# Altium PCB pcb_v1.PcbDoc (part 1 of 5)
Units mil, origin at the board's own origin, x right, y up, seen from the top; angles counter-clockwise.
Board outline 2527.56 x 5177.17 mil, 4 copper layers (L1 SIG, L2 SIG, L3 SIG, L4 SIG), stack 61.583 mil thick; 290 components, 207 nets, 1103 pads, 2427 vias.
Unrouted connection lines stored in the file: 255.
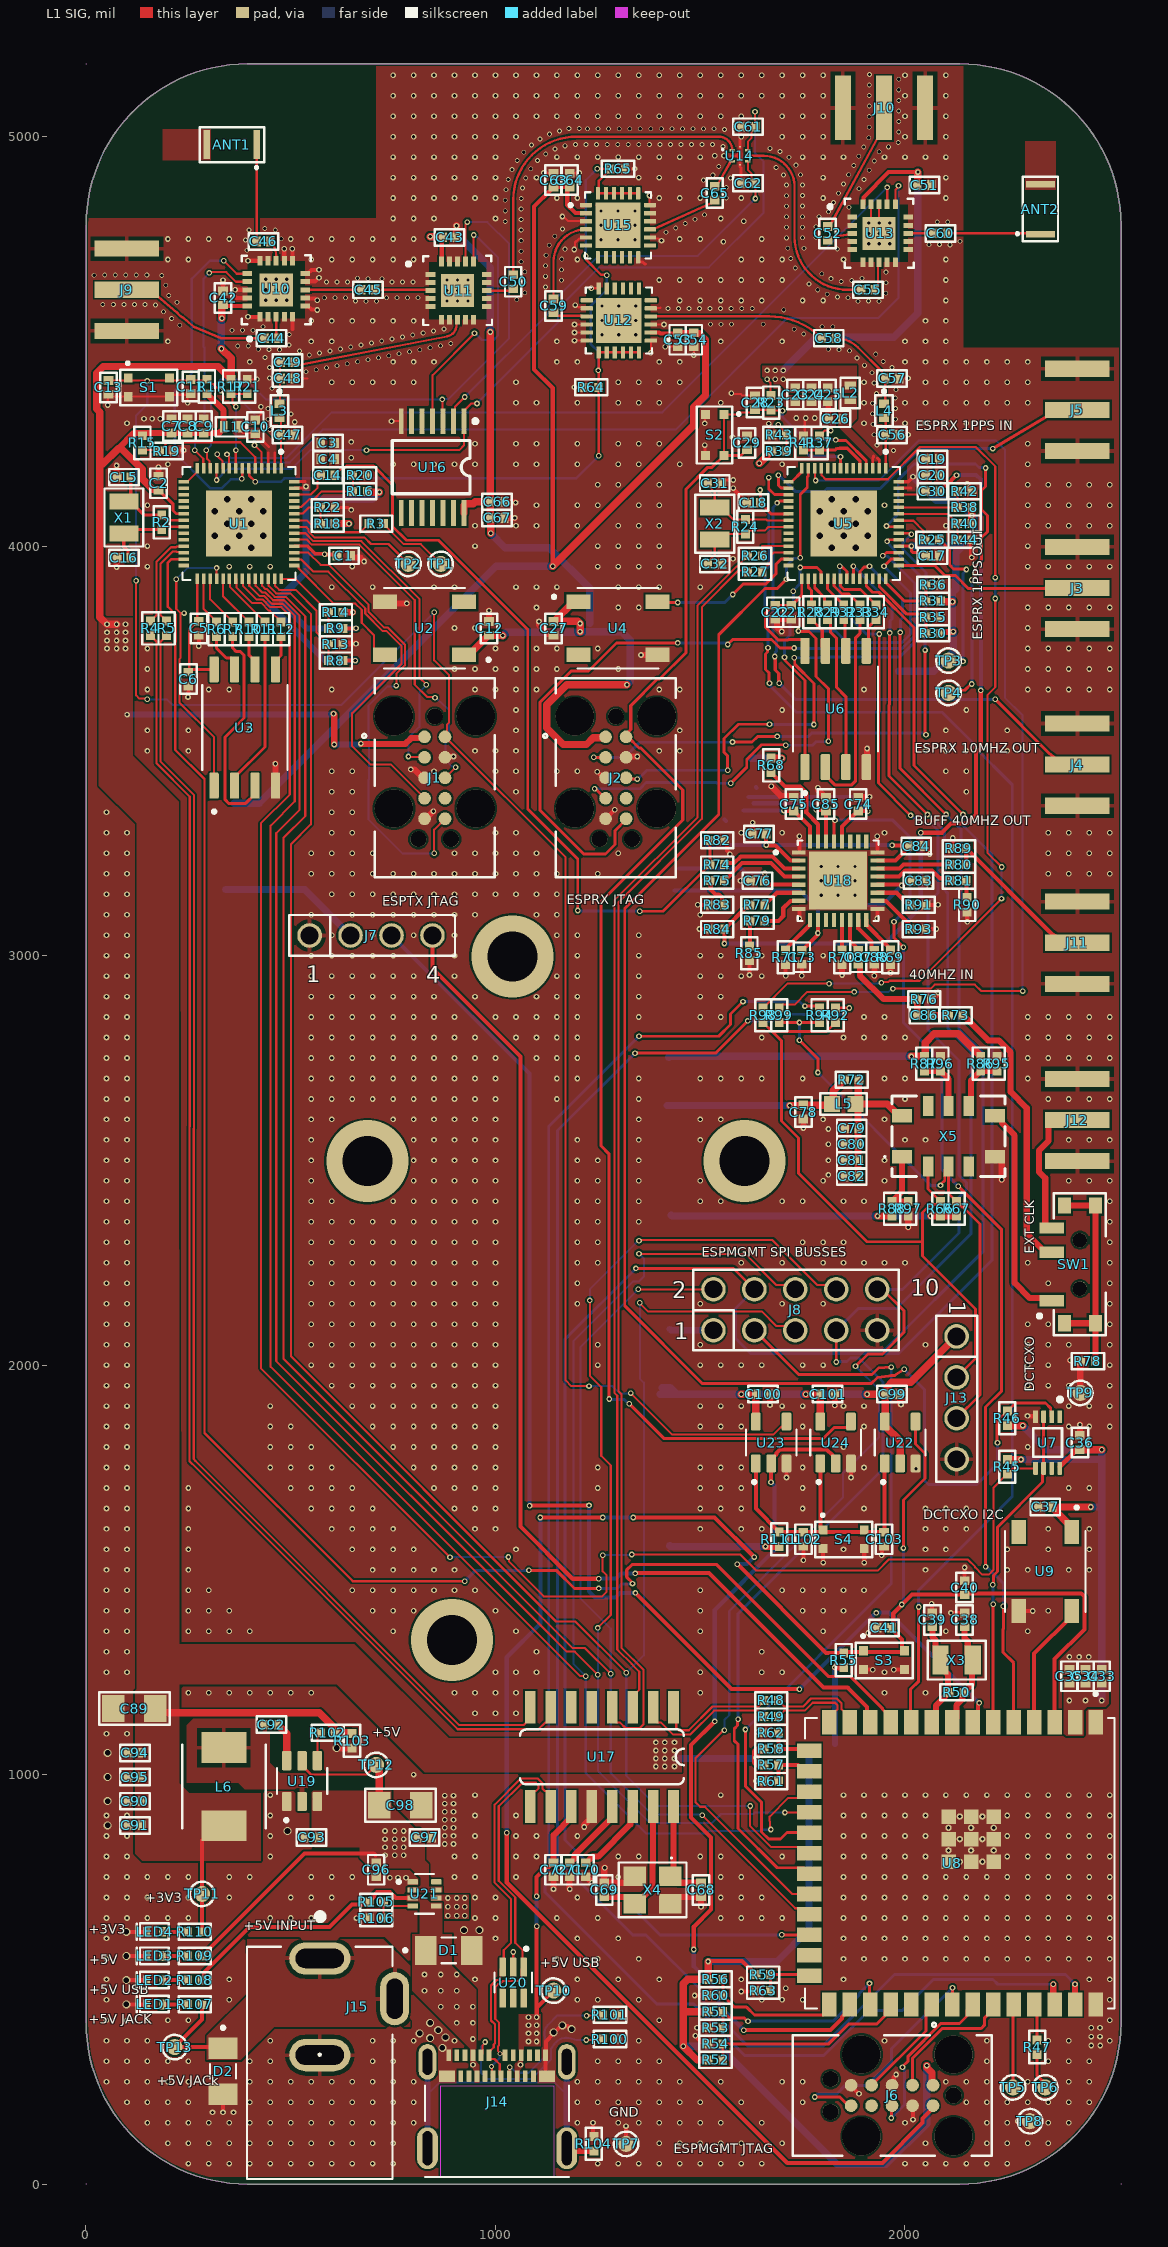
[diagram p0: L1 SIG view]
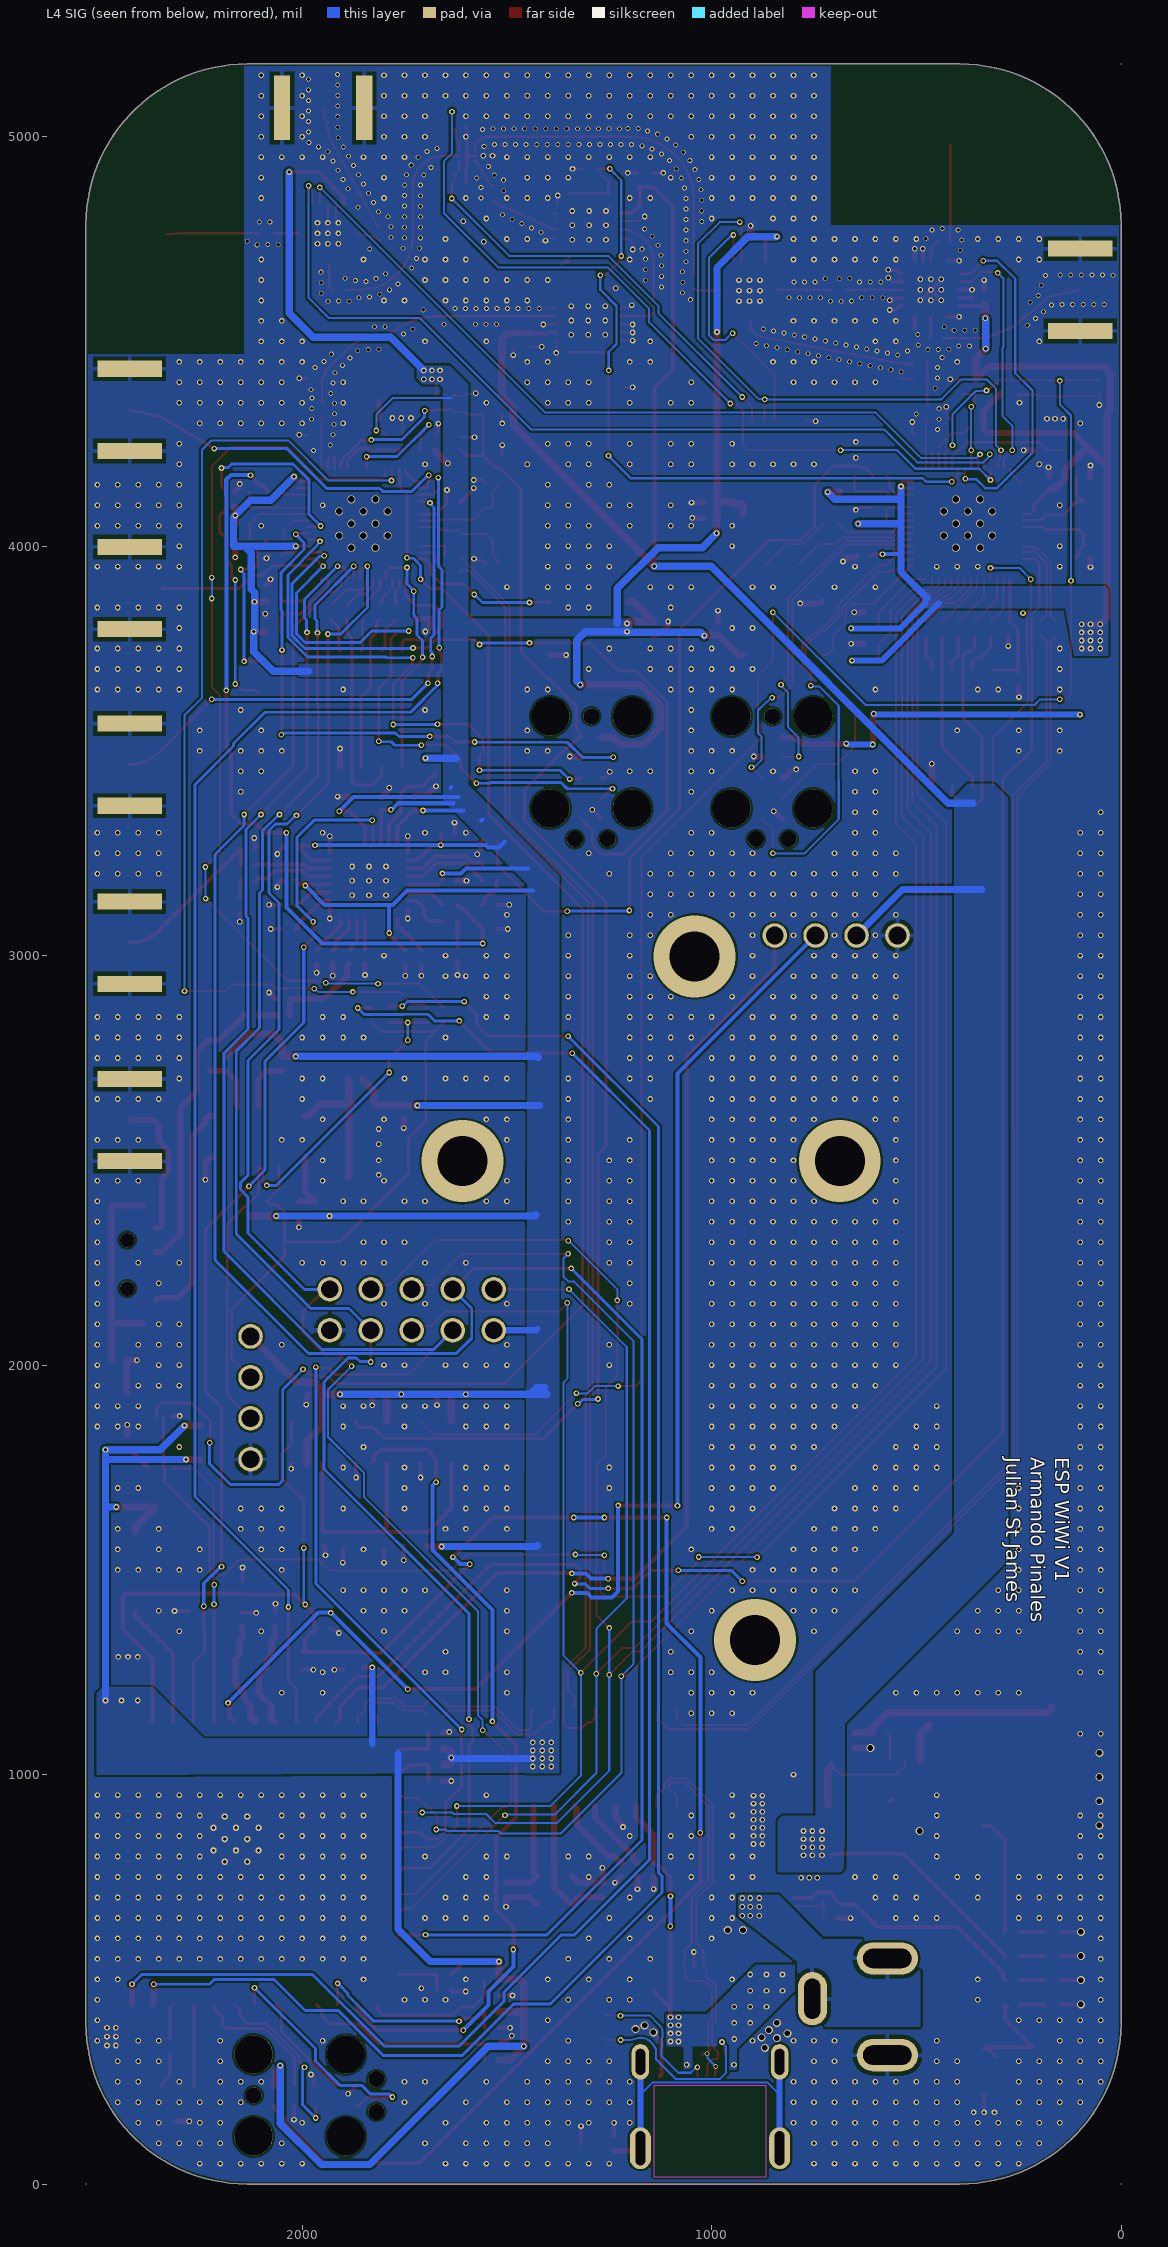
[diagram p1: L4 SIG view, seen from below]
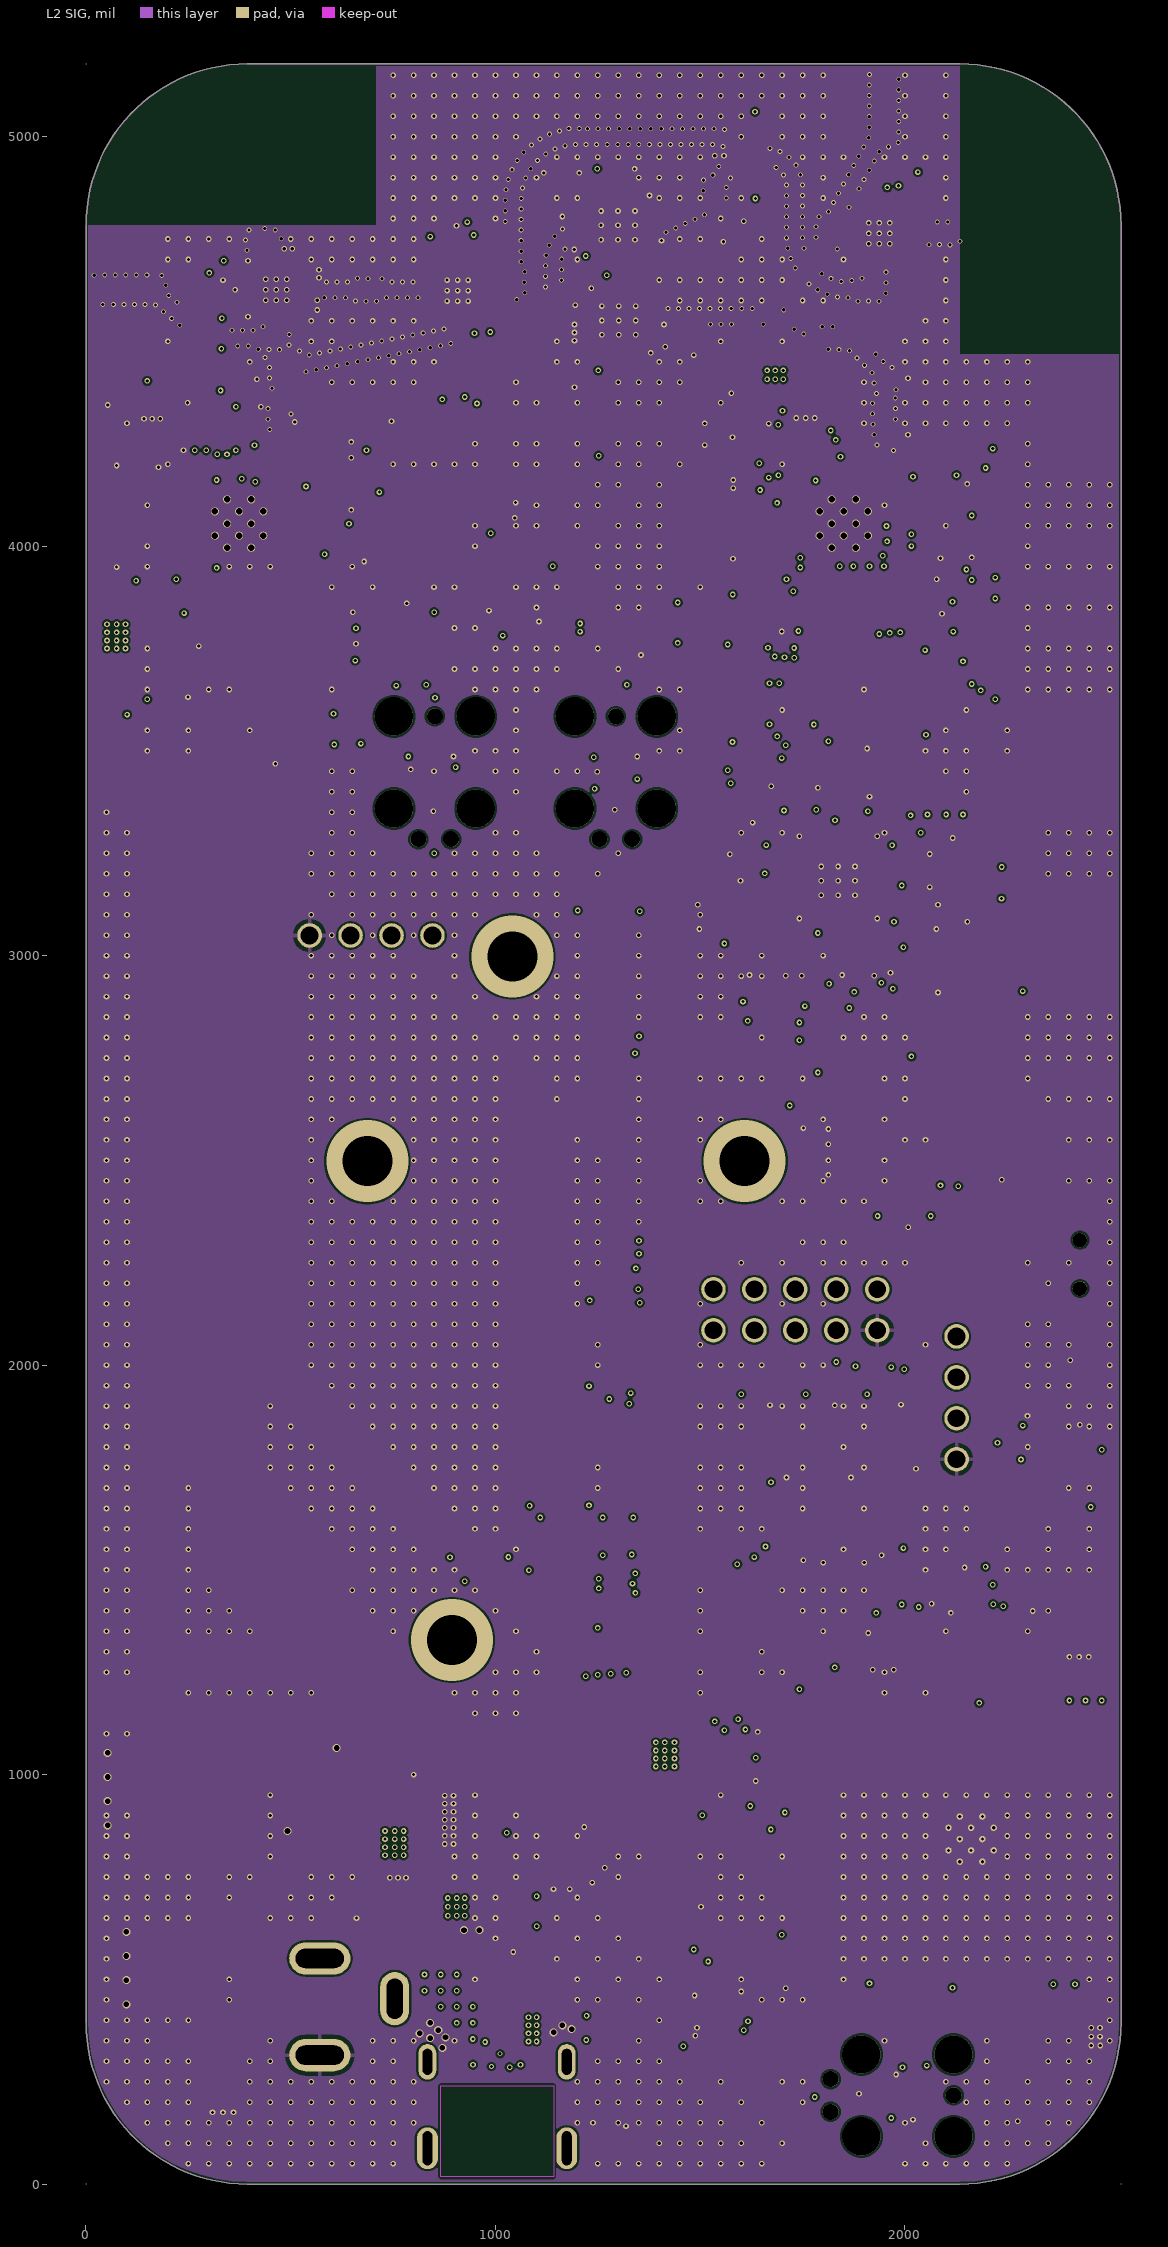
[diagram p2: L2 SIG]
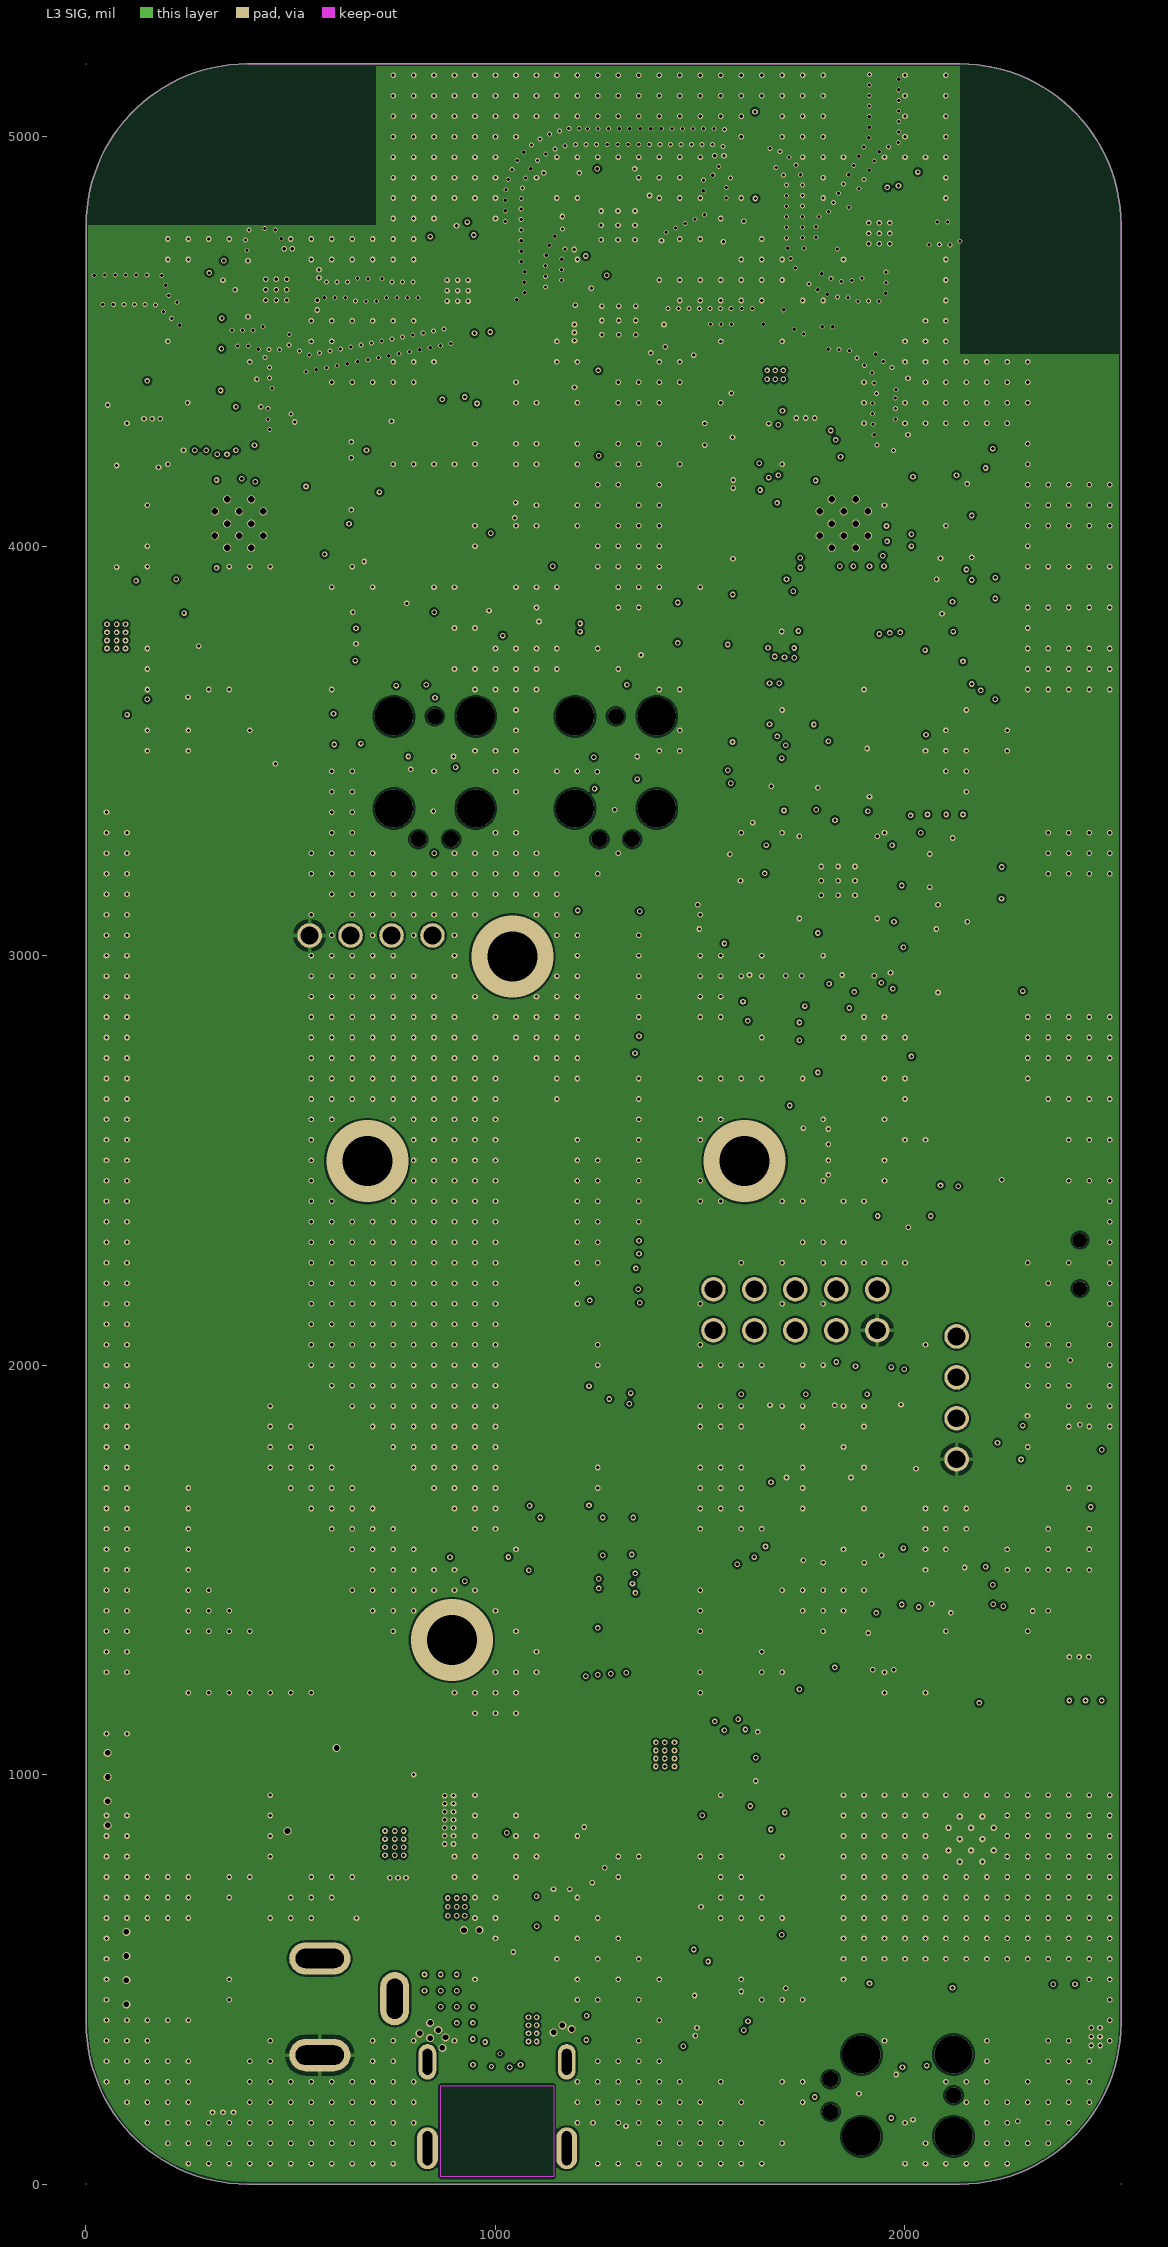
[diagram p3: L3 SIG]
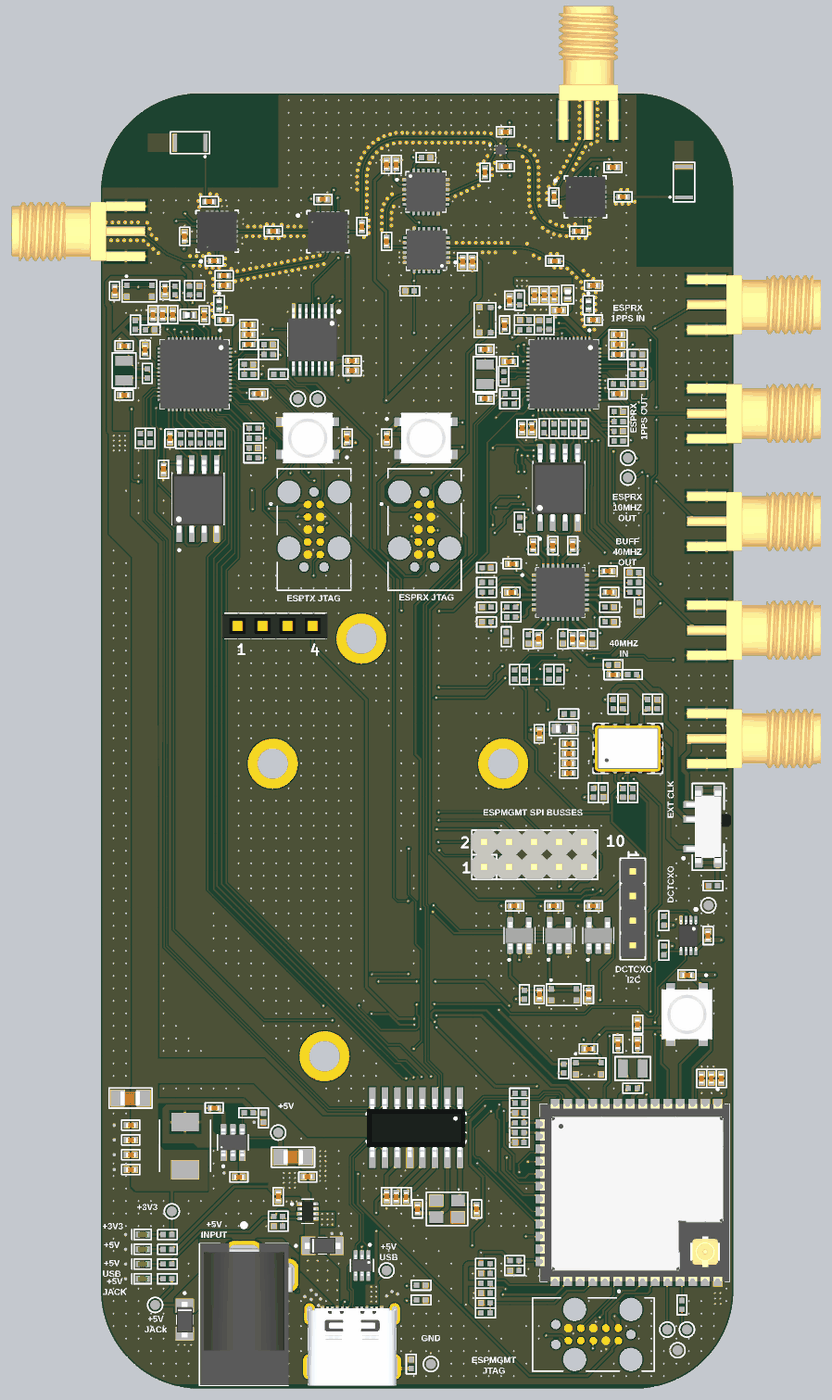
[diagram p8: 3D render of the assembled board from above, using the file's embedded part models]

## Layer stack, top to bottom
Top Solder: solder mask 0.8, SM-001, Dk 3.8
L1 SIG: signal copper 1.378
Dielectric 1: prepreg 3.9134, PP-017, Dk 4.05
L2 SIG: signal copper 0.5984
Dielectric 3: core 49.8031, Core-039, Dk 4.6
L3 SIG: signal copper 0.5984
Dielectric 5: prepreg 3.9134, PP-017, Dk 4.05
L4 SIG: signal copper 1.378
Bottom Solder: solder mask 0.8, SM-001, Dk 3.8

## Board outline
0.25,393.95 0.25,4783.71 cw(c393.95,4783.71) 393.95,5177.42 2134.11,5177.42 cw(c2134.11,4783.71) 2527.81,4783.71 2527.81,393.95 cw(c2134.11,393.95) 2134.11,0.25 393.95,0.25 cw(c393.95,393.95)

## Design rules (kind name [scope] priority, off if disabled: settings)
Clearance [All] p1: gap=5 ignorepadtopadclearanceinfootprint=FALSE except(0.25: THPad-THPad THPad-Via Via-Via; 3.5: Arc-Arc Arc-Track Track-Track; 7.87: Arc-SMDPad Track-SMDPad SMDPad-THPad SMDPad-Via; 10: Arc-Via Arc-Hole Track-Via Track-Hole; 12.99: Arc-THPad Track-THPad)
DiffPairsRouting [All] p1: maxlimit=5 minlimit=5 mostfreqgap=5 toplayer_minwidth=5.17 toplayer_maxwidth=5.17 toplayer_prefwidth=5.17 midlayer1_minwidth=4.63 midlayer1_maxwidth=4.63 midlayer1_prefwidth=4.63 midlayer2_minwidth=4.63 midlayer2_maxwidth=4.63 midlayer2_prefwidth=4.63 bottomlayer_minwidth=5.17 bottomlayer_maxwidth=5.17 bottomlayer_prefwidth=5.17 impedanceprofiledriven=TRUE impedanceprofileid={E85C228D-5980-4971-A9E1-38C707AA0703} impedanceprofilevalue=90.000000 maxuncoupledlength=500
Height [All] p1: minheight=0 maxheight=6000 prefheight=500
HoleSize [All] p1: absolutevalues=TRUE maxlimit=248.03 minlimit=7.87 maxpercent=80.000 minpercent=20.000
MinimumSolderMaskSliver [All] p1: minsoldermaskwidth=3.15
PolygonConnect PolygonConnect_ANTENNA_SP [InNet('SP1') OR InNet('SP2')] p1: connectstyle=Direct reliefconductorwidth=10 reliefentries=4 polygonreliefangle="90 Angle" airgapwidth=10
PolygonConnect PolygonConnect_SMA [HasFootprint('CONN_BWSMA-KE-P001')] p2: thpad.connectstyle=Direct thpad.reliefconductorwidth=10 thpad.reliefentries=4 thpad.polygonreliefangle="90 Angle" thpad.airgapwidth=10 smdpad.connectstyle=Relief smdpad.reliefconductorwidth=10 smdpad.reliefentries=4 smdpad.polygonreliefangle="90 Angle" smdpad.airgapwidth=10 via.connectstyle=Direct via.reliefconductorwidth=10 via.reliefentries=4 via.polygonreliefangle="90 Angle" via.airgapwidth=10
PolygonConnect PolygonConnect_POWER_ESP [(HasFootprint('IC_ESP32-S3') OR HasFootprint('IC_ESP32-S3-WROOM-1U'))] p3: connectstyle=Direct reliefconductorwidth=10 reliefentries=4 polygonreliefangle="90 Angle" airgapwidth=10
PolygonConnect PolygonConnect_POWER [InNetClass('Power')] p4: thpad.connectstyle=Relief thpad.reliefconductorwidth=10 thpad.reliefentries=4 thpad.polygonreliefangle="90 Angle" thpad.airgapwidth=10 smdpad.connectstyle=Direct smdpad.reliefconductorwidth=10 smdpad.reliefentries=4 smdpad.polygonreliefangle="90 Angle" smdpad.airgapwidth=10 via.connectstyle=Direct via.reliefconductorwidth=10 via.reliefentries=4 via.polygonreliefangle="90 Angle" via.airgapwidth=10
PolygonConnect [All] p5: connectstyle=Relief reliefconductorwidth=10 reliefentries=4 polygonreliefangle="90 Angle" airgapwidth=10
RoutingVias [All] p1: holewidth=7.87 width=9.84 viastyle="Through Hole" minholewidth=7.87 minwidth=9.84 maxholewidth=248.03 maxwidth=307.09
SilkToSolderMaskClearance [IsPad] p1: minsilkscreentomaskgap=4 clearancetoexposedcopper=TRUE
SolderMaskExpansion [All] p1: expansion=1.5 istentingtop=FALSE
Width RF [InNetClass('RF')] p1: maxlimit=5.78 minlimit=5.31 preferedwidth=5.78 toplayer_minwidth=5.78 midlayer1_maxwidth=5.31 midlayer1_prefwidth=5.31 midlayer2_maxwidth=5.31 midlayer2_prefwidth=5.31 bottomlayer_minwidth=5.78 impedanceprofiledriven=TRUE impedanceprofileid={CEDFC83F-FE95-46A8-80F8-374FED7B31CE} impedanceprofilevalue=50.000000 minimp=50.000000 maximp=50.000000 favimp=50.000000
Width [All] p2: maxlimit=18 minlimit=3.54 preferedwidth=5
25 further rules are at their usual default settings.

## Classes and differential pairs
net class Power: +3V3 +3V3_DCTCXO +3V3_VDD3P3_RX +3V3_VDD3P3_TX +5V +5V_JACK +5V_USB GND VDD_RX_SPI VDD_TX_SPI
net class RF: ESPRX_RF ESPTX_RF RF_ANT1 RF_ANT2 RF_ATTEN1_RF1 RF_ATTEN1_RF2 RF_ATTEN2_RF1 RF_ATTEN2_RF2 RF_RX_L RF_SW1_RF1 RF_SW1_RF2 RF_SW1_RFC RF_SW2_RF1 RF_SW2_RF2 RF_SW2_RFC RF_SW3_RF1 RF_SW3_RF2 RF_SW3_RFC RF_SW4_INPUT RF_SW4_OUT1 RF_SW4_OUT2 RF_TX_L RF_UFL1 RF_UFL2
component class "RF PATH": ANT1 ANT2 C42 C43 C44 C45 C46 C47 C48 C49 C50 C51 C52 C53 C54 C56 C57 C59 C60 C61 C62 C66 C67 C68 C73 C75 J9 J10 L3 L4 R64 R67 U10 U11 U12 U13 U14 U16 U18
component class PROGRAMMING: C68 C73 C75 C77 U18 X4
component class POWER: C89 C91 C93 C95 C97 C99 C101 C102 C103 D1 D2 J14 J15 L6 LED1 LED2 LED3 LED4 R100 R102 R104 R106 R108 R110 R111 S4 TP7 TP8 TP9 TP10 TP11 TP12 TP13 U20 U22 U24
component class ESP-TX: C1 C2 C3 C4 C5 C6 C7 C8 C9 C10 C11 C12 C13 C14 C15 C16 J1 L1 R1 R2 R3 R4 R5 R6 R7 R8 R9 R10 R11 R12 R13 R14 R15 R16 R17 R18 R19 R20 R21 R22 S1 TP1 TP2 U1 U2 U3 X1
component class ESP-RX: C17 C18 C19 C20 C21 C22 C23 C24 C25 C26 C27 C28 C29 C30 C31 C32 J2 J3 J4 J5 L2 R23 R24 R25 R26 R27 R28 R29 R30 R31 R32 R33 R34 R35 R36 R37 R38 R39 R40 R41 R42 R43 R44 S2 TP3 TP4 U4 U5 U6 X2
component class ESP-MGMT: C33 C34 C35 C36 C37 C38 C39 C40 C41 J6 J7 J8 R45 R46 R47 R48 R49 R50 R51 R52 R53 R54 R55 R56 R57 R58 R59 R60 R61 R62 R63 S3 TP5 TP6 U7 U8 U9 X3
component class DCTCXO: C73 C75 C77 C79 C81 C83 C85 C87 C89 C91 J11 J12 J13 L5 R67 R69 R71 R73 R75 R76 R78 R80 R83 R86 R88 R91 R92 R94 R96 R99 SW1 U18 X5
differential pair ESPTX_R_USB_D: +ESPTX_R_USB_D_P -ESPTX_R_USB_D_N
differential pair ESPRX_R_USB_D: +ESPRX_R_USB_D_P -ESPRX_R_USB_D_N
differential pair ESPMGMT_USB_D: +ESPMGMT_USB_D_P -ESPMGMT_USB_D_N
differential pair ESPMGMT_R_USB_D: +ESPMGMT_R_USB_D_P -ESPMGMT_R_USB_D_N
differential pair LS21A_USB_D: +LS21A_USB_D_P -LS21A_USB_D_N
differential pair ESPTX_USB_D: +ESPTX_USB_D_P -ESPTX_USB_D_N
differential pair ESPRX_USB_D: +ESPRX_USB_D_P -ESPRX_USB_D_N

## Components (designator, comment, footprint, x,y, rotation, side; value= is the part's Value field where it differs from the comment)
ANT1 "ANT3216LL00R2400A" ANT_ANT3216LL00R2400A 356.3,4980.31 r180 top
ANT2 "ANT3216LL00R2400A" ANT_ANT3216LL00R2400A 2330.71,4822.84 r90 top
C1 "0.1uF" CAP_0402 629.92,3976.38 r180 top
C2 "0.1uF" CAP_0402 177.17,4153.54 r270 top
C3 "1uF" CAP_0402 590.55,4251.97 r180 top
C4 "0.01uF" CAP_0402 590.55,4212.6 r180 top
C5 "0.1uF" CAP_0402 275.59,3799.21 r90 top
C6 "1uF" CAP_0402 250,3675.2 r90 top
C7 "10uF" CAP_0402 208.66,4293.31 r270 top
C8 "1uF" CAP_0402 248.03,4293.31 r270 top
C9 "0.1uF" CAP_0402 287.4,4293.31 r270 top
C10 "0.1uF" CAP_0402 413.39,4291.34 r270 top
C11 "1uF" CAP_0402 255.91,4389.76 r90 top
C12 "1uF" CAP_0402 984.25,3799.21 r270 top
C13 "0.1uF" CAP_0402 54.89,4387.8 r90 top
C14 "10pF" CAP_0402 590.55,4173.23 r180 top
C15 "22pF" CAP_0402 92.52,4168.31 r0 top
C16 "22pF" CAP_0402 92.52,3971.46 r0 top
C17 "0.1uF" CAP_0402 2066.93,3976.38 r180 top
C18 "0.1uF" CAP_0402 1629.92,4106.3 r0 top
C19 "1uF" CAP_0402 2066.93,4212.6 r180 top
C20 "0.01uF" CAP_0402 2066.93,4173.23 r180 top
C21 "0.1uF" CAP_0402 1722.44,3838.58 r90 top
C22 "1uF" CAP_0402 1683.07,3838.58 r90 top
C23 "10uF" CAP_0402 1732.28,4370.08 r90 top
C24 "1uF" CAP_0402 1771.65,4370.08 r90 top
C25 "0.1uF" CAP_0402 1811.02,4370.08 r90 top
C26 "0.1uF" CAP_0402 1830.71,4311.02 r0 top
C27 "1uF" CAP_0402 1141.73,3799.21 r90 top
C28 "1uF" CAP_0402 1633.86,4350.39 r270 top
C29 "0.1uF" CAP_0402 1614.17,4251.97 r270 top
C30 "10pF" CAP_0402 2066.93,4133.86 r180 top
C31 "22pF" CAP_0402 1535.43,4153.54 r180 top
C32 "22pF" CAP_0402 1535.43,3956.69 r180 top
C33 "0.1uF" CAP_0402 2480.31,1240.16 r270 top
C34 "1uF" CAP_0402 2440.94,1240.16 r270 top
C35 "10uF" CAP_0402 2401.57,1240.16 r270 top
C36 "0.1uF" CAP_0402 2427.17,1811.02 r270 top
C37 "1uF" CAP_0402 2342.52,1653.54 r0 top
C38 "22pF" CAP_0402 2145.67,1377.95 r270 top
C39 "22pF" CAP_0402 2066.93,1377.95 r270 top
C40 "1uF" CAP_0402 2145.67,1456.69 r270 top
C41 "0.1uF" CAP_0402 1948.82,1358.27 r0 top
C42 "0.1uF" CAP_0402 334.65,4606.3 r270 top
C43 "0.1uF" CAP_0402 887.8,4753.94 r180 top
C44 "100pF" CAP_0402 452.76,4507.87 r180 top
C45 "100pF" CAP_0402 688.98,4625.98 r180 top
C46 "100pF" CAP_0402 433.07,4744.09 r180 top
C47 "9pF" CAP_0402 492.13,4271.65 r180 top
C48 "8pF" CAP_0402 492.13,4409.45 r180 top
C49 "100pF" CAP_0402 492.13,4448.82 r180 top
C50 "100pF" CAP_0402 1043.31,4645.67 r270 top
C51 "0.1uF" CAP_0402 2047.24,4881.89 r180 top
C52 "100pF" CAP_0402 1811.02,4763.78 r90 top
C53 "0.1uF" CAP_0402 1444.88,4503.94 r90 top
C54 "10uF" CAP_0402 1484.25,4503.94 r90 top
C55 "100pF" CAP_0402 1909.45,4625.98 r180 top
C56 "9pF" CAP_0402 1968.5,4271.65 r180 top
C57 "8pF" CAP_0402 1968.5,4409.45 r180 top
C58 "100pF" CAP_0402 1813.78,4507.87 r0 top
C59 "100pF" CAP_0402 1141.73,4586.61 r270 top
C60 "100pF" CAP_0402 2086.61,4763.78 r180 top
C61 "33pF" CAP_0402 1616.93,5024.21 r0 top
C62 "33pF" CAP_0402 1616.93,4886.42 r0 top
C63 "0.1uF" CAP_0402 1141.73,4893.7 r270 top
C64 "10uF" CAP_0402 1181.1,4893.7 r270 top
C65 "100pF" CAP_0402 1535.43,4862.2 r270 top
C66 "0.1uF" CAP_0402 1003.94,4108.27 r180 top
C67 "10uF" CAP_0402 1003.94,4068.9 r180 top
C68 "22pF" CAP_0402 1501.97,718.5 r270 top
C69 "22pF" CAP_0402 1265.75,718.5 r270 top
C70 "10uF" CAP_0402 1220.47,767.72 r270 top
C71 "10uF" CAP_0402 1181.1,767.72 r270 top
C72 "10uF" CAP_0402 1141.73,767.72 r90 top
C73 "0.1uF" CAP_0402 1748.03,2996.06 r90 top
C74 "0.1uF" CAP_0402 1885.83,3370.08 r270 top
C75 "0.1uF" CAP_0402 1728.35,3370.08 r270 top
C76 "0.1uF" CAP_0402 1639.76,3183.07 r0 top
C77 "0.1uF" CAP_0402 1643.7,3297.24 r0 top
C78 "10uF" CAP_0402 1751.97,2618.11 r90 top
C79 "10uF" CAP_0402 1870.08,2578.74 r0 top
C80 "0.1uF" CAP_0402 1870.08,2539.37 r0 top
C81 "10uF" CAP_0402 1870.08,2500 r0 top
C82 "4.7uF" CAP_0402 1870.08,2460.63 r0 top
C83 "0.1uF" CAP_0402 2033.46,3183.07 r180 top
C84 "0.1uF" CAP_0402 2027.56,3267.72 r180 top
C85 "0.1uF" CAP_0402 1807.09,3370.08 r270 top
C86 "0.1uF" CAP_0402 2047.24,2854.33 r0 top
C87 "0.1uF" CAP_0402 1885.83,2996.06 r270 top
C88 "0.1uF" CAP_0402 1925.2,2996.06 r270 top
C89 "100uF" CAP_0805 118.11,1161.42 r0 top
C90 "0.1uF" CAP_0402 119.29,935.04 r0 top
C91 "10uF" CAP_0402 119.29,875.98 r0 top
C92 "0.1uF" CAP_0402 452.76,1122.05 r0 top
C93 "10uF" CAP_0402 551.18,846.46 r0 top
C94 "22uF" CAP_0402 119.29,1053.15 r0 top
C95 "22uF" CAP_0402 119.29,994.09 r0 top
C96 "0.1uF" CAP_0402 708.66,767.72 r90 top
C97 "10uF" CAP_0402 826.77,846.46 r180 top
C98 "100uF" CAP_0805 767.72,925.2 r180 top
C99 "0.1uF" CAP_0402 1968.5,1929.13 r180 top